# KiCad board sr99-stm32-hotswap.kicad_pcb (continued)
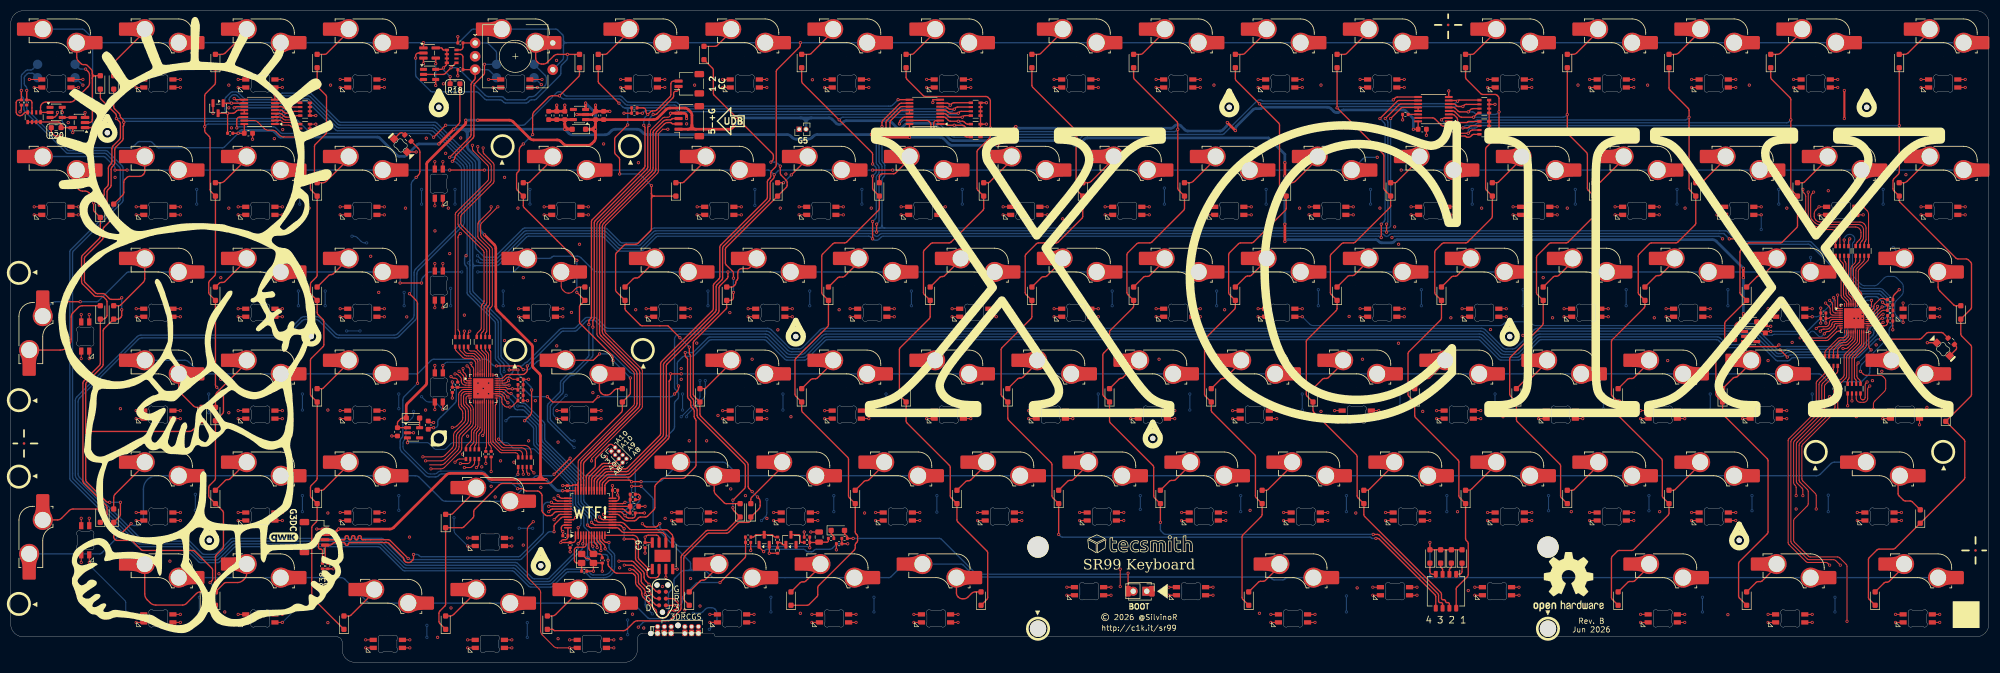
[diagram p0: board, top side]
## Routing (per net, layer and track width the routed paths; a pad name or vN(x,y) marks a point on that pad's centre or on a via; arc(x,y) is an arc through that point) (continued)
+5V: length 374.4
  Top w0.254: U12.1 C35.2 72.24,44.7 arc(72.28,44.9) 72.39,45.06 72.84,45.51 arc(73,45.62) 73.2,45.66 D107.1 ; D106.1 323,63.66 arc(322.29,63.36) 321.99,62.65 C33.2 U11.1 ; 107.37,104.55 v1(107.38,104.55)
  Top w0.508: U6.1 C14.2 ; C14.2 109.24,100.68 ; C14.2 C15.2 120.11,101.46 arc(120.5,101.54) 120.83,101.76 122.4,103.33 arc(122.73,103.55) 123.12,103.62 125.86,103.62 arc(126.24,103.55) 126.57,103.33 126.94,102.96 arc(127.16,102.63) 127.24,102.25 127.24,100.42 ; 109.24,100.68 109.24,98.65 ; 109.24,100.68 arc(108.94,99.96) 108.22,99.66 ; 109.24,98.65 109.24,98.08 arc(109.16,97.69) 108.94,97.36 108.54,96.96 arc(108.21,96.74) 107.82,96.66 103.91,96.66 arc(103.52,96.74) 103.19,96.96 102.79,97.36 arc(102.46,97.59) 102.07,97.66 97.66,97.66 arc(97.27,97.74) 96.94,97.96 93.84,101.06 arc(93.51,101.28) 93.12,101.35 v1(87.24,101.35) ; 109.24,98.65 arc(108.94,99.36) 108.22,99.66 ; D107.1 73.88,47.96 arc(73.91,48.15) 74.02,48.32 77.55,51.84 arc(77.66,52.01) 77.7,52.2 77.7,93.16 arc(77.74,93.36) 77.85,93.52 84.85,100.52 arc(84.96,100.69) 85,100.88 v1(85,101.35) ; U6.3 107.37,104.55 ; 128,99.66 134.17,99.66 arc(134.46,99.72) 134.71,99.89 v1(135.11,100.29) ; 128,99.66 126.48,99.66 ; 128,99.66 arc(127.46,99.89) 127.24,100.42 ; v1(323.62,71.91) v1(323.62,73.66) ; v1(237.99,81.91) v1(237.99,78.66) ; 108.22,99.66 D2.1 ; 126.48,99.66 J1.1 ; 126.48,99.66 arc(127.01,99.89) 127.24,100.42 ; v1(237.99,93.41) v1(237.99,90.91) ; D106.1 v1(323.62,65.16)
  Bottom w0.508: v1(109.24,99.66) 109.24,102.27 arc(109.16,102.66) 108.94,102.99 v1(107.38,104.55) ; 147.53,101.79 136.93,101.79 arc(136.64,101.73) 136.39,101.56 v1(135.11,100.29) ; 147.53,101.79 149.56,101.79 ; 147.53,101.79 arc(148.24,101.49) 148.54,100.77 ; v1(237.99,90.91) v1(237.99,81.91) ; 149.56,101.79 152.86,101.79 arc(153.15,101.73) 153.4,101.56 154.2,100.77 arc(154.73,100.54) 155.27,100.77 155.55,101.04 arc(155.79,101.2) 156.08,101.26 163.9,101.26 arc(164.19,101.2) 164.44,101.04 165.45,100.03 arc(165.99,99.81) 166.53,100.03 167.03,100.53 arc(167.27,100.69) 167.57,100.75 172.18,100.75 arc(172.48,100.69) 172.72,100.53 175.5,97.75 arc(175.75,97.59) 176.04,97.53 197.39,97.53 arc(197.68,97.47) 197.93,97.31 198.44,96.79 arc(198.98,96.57) 199.52,96.79 200.54,97.81 arc(200.79,97.97) 201.08,98.03 234.92,98.03 237.99,94.97 v1(237.99,93.41) ; 149.56,101.79 arc(148.84,101.49) 148.54,100.77 ; REF**#10.2 148.54,100.77 ; v1(323.62,73.66) 318.57,78.72 arc(318.24,78.94) 317.85,79.02 258.95,79.02 arc(258.76,78.98) 258.59,78.87 258.3,78.58 arc(258.14,78.47) 257.94,78.43 256.01,78.43 arc(255.81,78.47) 255.65,78.58 255.36,78.87 arc(255.19,78.98) 255,79.02 238.66,79.02 arc(238.37,78.96) 238.12,78.79 v1(237.99,78.66) ; v1(323.62,65.16) v1(323.62,71.91) ; v1(87.24,101.35) v1(85,101.35)
/ARGB Driver/VCC-LED1: length 38.6
  Top w0.2: 349.87,62.91 350,62.91 arc(350.2,62.95) 350.36,63.06 350.43,63.12 arc(350.54,63.29) 350.57,63.48 C27.2 C28.2 ; 349.87,62.91 349.11,62.91 ; 349.87,62.91 arc(349.6,62.8) 349.49,62.53 ; 339.04,63.46 338.99,63.41 ; C26.2 C25.2 ; C26.2 v1(339.04,63.42) ; C26.2 339.53,64.31 arc(339.63,64.33) 339.71,64.39 339.76,64.44 arc(339.85,64.49) 339.94,64.51 U9.5 ; 349.11,62.91 U9.22 ; 349.11,62.91 arc(349.38,62.8) 349.49,62.53 ; 349.49,62.53 v1(349.49,62.16)
  Top w0.254: D106.2 U11.5 v1(328.74,61.86)
  In2.Cu w0.4: v1(339.04,63.42) 347.81,63.42 arc(348.2,63.34) 348.53,63.12 v1(349.49,62.16)
  Bottom w0.254: v1(328.74,61.86) 335.31,61.86 arc(335.5,61.9) 335.67,62.01 337.63,63.97 arc(337.79,64.08) 337.99,64.12 338.13,64.12 arc(338.32,64.08) 338.49,63.97 v1(339.04,63.42)
/ARGB Driver/VCC-LED2: length 37.3
  Top w0.2: U10.5 C29.2 C30.2 v1(82.49,52.41) ; U10.22 91.13,49.81 arc(91.33,49.77) 91.49,49.66 91.6,49.56 arc(91.71,49.4) 91.74,49.2 91.74,48.64 arc(91.78,48.45) 91.89,48.29 92.3,47.88 arc(92.46,47.77) 92.66,47.73 v1(93.24,47.73) 93.35,47.73 arc(93.54,47.77) 93.7,47.88 C31.2 94.74,49.89 C32.2
  Top w0.254: D107.2 U12.5 ; 77.99,43.86 v1(78.99,43.86)
  In1.Cu w0.4: v1(82.49,52.41) 86.87,48.03 arc(87.2,47.81) 87.59,47.73 v1(93.24,47.73)
  Bottom w0.254: v1(82.49,52.41) 83.07,51.83 arc(83.18,51.67) 83.22,51.47 83.22,48.92 arc(83.18,48.73) 83.07,48.56 79.9,45.4 arc(79.79,45.24) 79.75,45.04 79.75,44.37 arc(79.61,44.01) 79.25,43.86 v1(78.99,43.86)
GND: length 458.1
  Top w0.2: v1(96.54,48.91) C31.1 95.72,48.93 C32.1 95.72,50.88 R35.1 95.72,50.94 C38.1 95.74,51.93 R36.1 v1(96.74,52.91) ; v1(123.24,102.66) 123.24,102.41 arc(123.09,102.05) 122.73,101.9 122.14,101.9 arc(121.94,101.87) 121.78,101.76 119.64,99.61 arc(119.53,99.45) 119.49,99.25 119.49,92.37 arc(119.45,92.18) 119.34,92.01 109.64,82.31 arc(109.53,82.15) 109.49,81.95 109.49,61.37 arc(109.53,61.18) 109.64,61.01 116.34,54.31 arc(116.45,54.15) 116.49,53.95 116.49,48.37 arc(116.45,48.18) 116.34,48.01 106.14,37.81 arc(106.03,37.65) 105.99,37.45 105.99,33.67 ; v1(349.72,63.55) 349.62,63.46 arc(349.46,63.35) 349.26,63.31 U9.23 345.32,63.31 v1(344.32,64.31) 344.53,64.11 344.53,60.4 arc(344.49,60.2) 344.38,60.04 343.15,58.81 arc(342.98,58.7) 342.79,58.66 v1(342.24,58.66) ; R4.2 v1(277.24,99.51) ; v1(108.49,37.66) 108.49,38.12 117.83,47.46 arc(117.94,47.63) 117.98,47.82 117.98,54.5 arc(117.94,54.7) 117.83,54.86 112.72,59.97 112.72,59.97 111.12,61.57 arc(111.01,61.73) 110.97,61.93 110.97,81.4 arc(111.01,81.59) 111.12,81.76 120.83,91.46 arc(120.94,91.63) 120.97,91.82 120.97,98.84 121.8,99.66 v1(122.74,99.66) ; v1(92.87,48.53) 92.36,49.04 arc(92.25,49.2) 92.21,49.4 92.21,49.49 arc(92.19,49.59) 92.14,49.67 91.75,50.06 arc(91.58,50.17) 91.39,50.21 U10.23 v1(89.26,50.21) v1(88.26,51.21) 88.46,51.01 88.46,42.92 arc(88.42,42.72) 88.31,42.56 v1(88.17,42.41) ; v1(338.07,63.42) C26.1 C25.1 v1(338.07,66.21) ; v1(56.99,100.61) R6.4 R6.3 R6.2 R6.1 ; v1(351.54,62.16) 351.54,62.93 351.54,62.93 C27.1 C28.1 351.56,64.84 R33.1 351.54,65.84 C37.1 351.56,66.84 R34.1 ; 105.99,33.67 105.99,32.91 ; 105.99,33.67 arc(105.84,33.31) 105.48,33.16 ; R1.3 v1(277.24,104.31) ; C29.1 83.49,52.61 arc(83.34,52.97) 82.98,53.12 82.74,53.12 arc(82.55,53.15) 82.39,53.26 v1(82.24,53.41)
  Top w0.254: v1(138.22,20.91) 138.22,21.29 C13.1 ; Q1.2 v1(37.79,102.66) ; R5.4 v1(182.24,100.61) ; R5.4 R2.1 R2.2 R2.3 R2.4 v1(182.24,104.61) ; R5.4 R5.3 R5.2 R5.1 ; U5.4 124.46,17.44 v1(124.49,17.41) ; C24.1 1.99,103.37 arc(1.95,103.18) 1.84,103.01 v1(1.74,102.91) ; C8.1 v1(104.49,20.66) ; v1(83.51,116.96) C22.1 ; v1(259.99,101.41) 259.98,101.42 R41.2 ; R9.1 148.22,23.41 v1(148.22,24.36) ; C4.1 v1(149.44,24.36) ; R1.4 R1.3 R1.2 R1.1 R4.4 R4.3 R4.2 R4.1 ; U1.47 103.35,25.66 arc(102.99,25.51) 102.85,25.15 102.85,24.92 arc(102.88,24.73) 102.99,24.56 v1(103.11,24.44) C7.1 ; U1.35 105.99,32.91 arc(105.91,33.09) 105.73,33.16 105.04,33.16 arc(105.01,33.15) 104.97,33.13 104.9,33.06 arc(104.87,33.04) 104.83,33.03 C6.1 v1(103.11,33.03) ; v1(268.6,106.83) U2.8 ; Y1.2 v1(108.84,17.04) C19.1 ; Y1.2 C20.1 v1(110.49,17.04) ; Y1.2 108.14,19.26 arc(107.97,19.37) 107.78,19.41 107.7,19.41 arc(107.5,19.45) 107.34,19.56 Y1.4 ; R42.2 R43.2 v1(114.55,102.66) ; v1(357.99,59.75) D108.1 ; R34.1 351.56,68.07 arc(351.64,68.46) 351.86,68.79 v1(352.74,69.66) ; v1(8.74,102.81) 8.74,102.64 arc(8.7,102.44) 8.59,102.28 8.32,102.01 arc(8.16,101.9) 7.96,101.86 U8.3 ; 148.22,24.41 148.22,24.41 ; 327.74,62.82 v1(328.74,62.82) ; 141.69,20.4 141.69,20.4 Q3.2 ; C5.1 v1(113.36,31.28) 113.47,31.18 arc(113.58,31.01) 113.62,30.82 113.62,30.67 arc(113.47,30.31) 113.11,30.16 U1.23 ; U12.2 v1(75.24,42.91) ; v1(172.24,104.66) 172.24,105.19 U3.8 ; C9.1 v1(118.49,20.41) ; v1(75.74,95.41) 74.04,95.41 D109.1 ; NT2.1 118.49,27.91 ; R15.1 154.22,21.02 v1(154.22,21.02) ; R14.1 v1(141.69,20.39) ; v1(49.35,106.04) U4.8 ; v1(320.95,60.31) 320.95,60.31 C33.1 ; C3.1 v1(264.43,98.51) ; U11.2 v1(324.99,60.91) ; J2.1 v1(57.17,24.91) ; R3.4 R3.3 R3.2 R3.1 v1(56.99,102.21) ; C21.1 v1(83.51,109.65) ; SW104.3 v1(77.09,111.91) ; C35.1 v1(71.18,42.31) ; C2.1 v1(170.74,99.41) ; 77.99,44.82 v1(78.99,44.82) ; C30.1 v1(82.49,49.41) ; v1(13.89,102.77) SW105.3 ; C1.1 v1(45.17,97.79)
  Top w0.508: v1(109.24,104.16) C14.1 ; C14.1 108.79,102.56 arc(108.62,102.45) 108.43,102.41 U6.2 v1(105.74,102.41) ; C14.1 C15.1 v1(111.9,103.01) ; v1(103.49,104.16) C16.1 C17.1 ; v1(126.24,101.66) 126.24,102.15 arc(126.09,102.51) 125.73,102.66 J1.4 v1(123.24,102.66) ; C17.1 C18.1 ; C17.1 v1(101.99,104.16)
  In1.Cu w0.2: 122.36,101.16 122.36,101.16
  In1.Cu w0.508: v1(125.91,9.79) 125.91,9.66 arc(125.99,9.27) 126.21,8.94 126.88,8.27 arc(127.1,7.94) 127.18,7.55 REF**#12.5 J6.5
  In1.Cu w1.67: v1(126.24,101.66) 122.74,101.66 120.54,99.47 arc(120.32,99.14) 120.24,98.75 120.24,98.41 120.24,98.4 120.24,92.29 arc(120.16,91.91) 119.94,91.58 110.54,82.17 arc(110.31,81.84) 110.24,81.45 110.24,61.83 arc(110.31,61.44) 110.54,61.11 116.94,54.71 arc(117.16,54.38) 117.24,53.99 117.24,48.33 arc(117.16,47.94) 116.94,47.61 108.49,39.16 v1(108.49,37.66)
  Bottom w0.254: ENC1.C 97.82,109.3 v1(99.11,108.01) ; v1(257.99,79.41) 258.08,79.51 arc(258.24,79.62) 258.44,79.65 319.04,79.65 arc(319.23,79.62) 319.39,79.51 v1(319.74,79.16) ; v1(13.49,107.91) 12.1,109.3 ENC2.C
  Bottom w0.4: 97.86,109.3 ENC1.C
  vias: v1(9.99,63.66) v1(10.74,100.91) v1(19.49,90.66) v1(20.49,47.41) v1(29.74,18.91) v1(38.9,16.55) v1(39.24,71.91) v1(39.24,52.91) v1(39.99,9.41) v1(40.74,107.91) v1(40.74,103.66) v1(40.74,84.91) v1(40.74,46.66) v1(41.24,99.91) v1(49.24,97.91) v1(50.81,99.59) v1(55.74,84.91) v1(55.74,65.91) v1(59.24,47.16) v1(59.24,27.91) v1(59.24,7.41) v1(59.74,107.91) v1(67.24,75.91) v1(68.74,69.16) v1(73.74,84.91) v1(73.97,64.57) v1(74.49,23.41) v1(77.49,47.16) v1(77.62,97.99) v1(79.24,80.66) v1(79.74,4.66) v1(80.82,108.16) v1(81.24,95.16) v1(81.74,84.91) v1(81.99,76.41) v1(82.24,10.16) v1(84.05,98.03) v1(84.4,38.91) v1(84.74,64.91) v1(85.34,42.28) v1(87.27,52.2) v1(87.26,50.21) v1(87.99,36.54) v1(89.27,52.2) v1(89.74,32.91) v1(90.49,30.91) v1(91.49,37.66) v1(92.24,90.66) v1(92.24,60.16) v1(93.99,37.41) v1(94.74,84.91) v1(95.74,71.91) v1(95.74,21.91) v1(96.74,41.41) v1(97.99,60.16) v1(97.99,48.91) v1(99.02,32.7) v1(101.96,112.53) v1(101.99,59.16) v1(102.24,41.16) v1(102.24,4.41) v1(104.74,65.41) v1(106.24,78.16) v1(108.74,50.41) v1(110.74,96.91) v1(111.24,38.41) v1(113.74,17.66) v1(113.99,4.41) v1(116.14,9) v1(116.74,65.91) v1(117.24,93.41) v1(118.24,6.41) v1(118.36,27.91) v1(121.74,14.16) v1(122.24,26.91) v1(125.24,54.91) v1(125.24,52.91) v1(126.24,100.66) v1(126.74,41.41) v1(126.99,15.66) v1(127.74,107.91) v1(128.14,59.68) v1(128.75,10.52) v1(129.99,41.41) v1(132.11,46.15) v1(134.32,65.38) v1(134.49,32.41) v1(137.24,31.16) v1(138.49,56.66) v1(141.24,26.91) v1(143.29,62.16) v1(143.74,84.91) v1(144.79,91.28) v1(145.74,45.91) v1(147.49,9.16) v1(149.74,108.91) v1(154.74,65.91) v1(159.49,27.91) v1(160.74,84.91) v1(176.24,56.66) v1(196.49,82.91) v1(214.49,56.66) v1(224.74,107.91) v1(226.74,65.91) v1(231.49,28.41) v1(233.24,9.16) v1(240.74,84.91) v1(244.74,107.91) v1(244.74,46.91) v1(249.99,64.66) v1(251.24,27.91) v1(251.49,13.91) v1(252.49,56.66) v1(255.74,84.91) v1(258.49,81.41) v1(259.24,78.16) v1(259.2,59.65) v1(263.74,46.91) v1(268.99,64.41) v1(270.24,28.16) v1(272.24,13.41) v1(274.74,84.91) v1(276.4,62.22) v1(278.74,99.51) v1(278.74,45.91) v1(282.45,61.13) v1(286.24,71.91) v1(287.99,64.41) v1(290.74,84.91) v1(291.49,28.16) v1(292.74,107.91) v1(301.74,46.91) v1(305.74,107.91) v1(306.99,64.41) v1(307.99,28.16) v1(309.49,56.41) v1(312.74,84.91) v1(314.74,46.91) v1(319.26,53.21) v1(320.74,8.91) v1(324.74,107.91) v1(325.99,66.41) v1(328.24,56.41) v1(331.74,84.91) v1(332.74,59.81) v1(333.49,28.66) v1(339.49,88.16) v1(339.74,49.66) v1(341.85,66.79) v1(344.74,45.91) v1(345.07,64.31) v1(345.82,65.81) v1(345.82,65.06) v1(345.82,64.31) v1(347.74,52.66) v1(348.43,59.34) v1(349.49,54.41) v1(353.99,91.16)
GNDA: length 13.3
  Top w0.254: C10.1 117.23,31.41 arc(117.41,31.34) 117.49,31.16 v1(117.49,30.91) 117.49,30.67 arc(117.41,30.49) 117.23,30.41 C11.1 ; U1.19 113.78,28.16 arc(113.97,28.12) 114.14,28.01 v1(114.74,27.41) 115.04,27.11 arc(115.2,27) 115.4,26.96 116.15,26.96 arc(116.51,27.11) 116.66,27.47 C12.1 NT2.2
  Bottom w0.254: v1(117.49,30.91) 117.49,30.37 arc(117.45,30.18) 117.34,30.01 v1(114.74,27.41)
VBAT: length 2.6
  Top w0.254: U1.1 105.49,22.9 arc(105.34,22.54) 104.98,22.39 C8.2 NT1.2
VDDA: length 6
  Top w0.254: FB1.1 C11.2 C10.2 ; FB1.1 U1.21 ; FB1.1 NT3.1
/Matrix/ENC1_3V3: length 10.9
  Top w0.254: SW104.5 80.47,114.86 arc(80.59,114.81) 80.64,114.69 80.64,114.66 arc(80.69,114.54) 80.81,114.49 R17.5 R17.6 R17.7 R17.8 81.46,111.97 arc(81.42,111.78) 81.31,111.61 v1(80.82,111.12) 80.71,111.01 arc(80.55,110.9) 80.35,110.86 U7.5 ; R18.1 v1(82.08,109.5)
  Bottom w0.254: v1(82.08,109.5) 80.97,110.6 arc(80.86,110.77) 80.82,110.96 v1(80.82,111.12)
/Matrix/ENC2_3V3: length 15.8
  Top w0.254: U8.5 v1(9.63,102.81) 9.71,102.81 9.75,102.85 ; R19.5 R19.6 R19.7 R19.8 8.89,101.01 arc(9.25,100.86) 9.4,100.5 R20.1 SW105.5 v1(11.59,99.04)
  Bottom w0.254: v1(11.59,99.04) 9.77,100.85 arc(9.66,101.01) 9.63,101.21 v1(9.63,102.81)
/MCU and power/BOOT_SW: length 60.3
  Top w0.254: R13.1 v1(157.36,23.16) ; R13.1 156.26,23.42 arc(156.24,23.52) 156.18,23.6 155.81,23.97 arc(155.76,24.05) 155.74,24.15 D1.2 ; R13.1 156.25,23.17 ; UBOOT1.2 v1(208.7,16.66)
  Bottom w0.254: v1(157.36,23.16) 173.48,23.16 arc(173.67,23.12) 173.84,23.01 180.23,16.62 arc(180.39,16.51) 180.59,16.47 208.3,16.47 arc(208.5,16.51) 208.66,16.62 v1(208.7,16.66)
/MCU and power/U_2_3: length 104.8
  Top w0.254: U3.14 166.97,101.94 arc(166.78,101.9) 166.61,101.79 166.14,101.31 arc(166.03,101.15) 165.99,100.95 v1(165.99,100.66) ; U2.9 258.97,105.69 arc(258.78,105.65) 258.61,105.54 v1(258.24,105.16)
  Bottom w0.254: v1(165.99,100.66) 166.57,101.25 arc(166.74,101.36) 166.93,101.4 172.56,101.4 arc(172.75,101.36) 172.92,101.25 175.84,98.32 arc(176.01,98.21) 176.2,98.18 197.77,98.18 arc(197.97,98.14) 198.13,98.03 198.55,97.6 arc(198.72,97.49) 198.91,97.46 199.06,97.46 arc(199.25,97.49) 199.42,97.6 200.34,98.53 arc(200.51,98.64) 200.7,98.68 226.28,98.68 arc(226.47,98.72) 226.64,98.83 232.78,104.97 arc(232.95,105.08) 233.14,105.12 233.47,105.12 arc(233.56,105.1) 233.65,105.04 233.68,105.01 arc(233.76,104.96) 233.86,104.94 257.8,104.94 arc(258,104.98) 258.16,105.09 v1(258.24,105.16)
/MCU and power/U_3_4: length 134.6
  Top w0.254: v1(78.99,98.16) v1(81.24,100.41) ; v1(42.24,99.91) 42.23,99.92 42.23,101.43 arc(42.38,101.79) 42.74,101.94 U4.14 ; U3.9 165.76,105.19 165.74,105.16
  Bottom w0.254: v1(81.24,100.41) 95.69,100.41 arc(95.88,100.45) 96.04,100.56 102,106.52 arc(102.17,106.63) 102.36,106.67 102.62,106.67 arc(102.81,106.63) 102.98,106.52 103.49,106.01 arc(103.65,105.9) 103.84,105.86 113.83,105.86 arc(114.02,105.82) 114.19,105.71 115.04,104.86 arc(115.2,104.75) 115.4,104.71 124.22,104.71 arc(124.41,104.67) 124.58,104.56 125.01,104.13 arc(125.17,104.02) 125.36,103.98 164.32,103.98 arc(164.52,104.02) 164.68,104.13 v1(165.74,105.19) ; v1(42.24,99.91) 42.24,99.91 42.29,99.96 arc(42.45,100.07) 42.65,100.11 49.1,100.11 arc(49.3,100.07) 49.46,99.96 50.41,99.02 arc(50.57,98.91) 50.77,98.87 78.07,98.87 arc(78.26,98.83) 78.43,98.72 v1(78.99,98.16)
/MCU and power/X32: length 11
  Top w0.254: U1.32 107.49,34.65 arc(107.53,34.85) 107.64,35.01 109.05,36.43 arc(109.16,36.59) 109.2,36.79 109.2,37.88 arc(109.24,38.07) 109.35,38.24 111.73,40.62 arc(112.09,40.77) 112.44,40.62
/MCU and power/~{MATRIX_CS}: length 312.4
  Top w0.254: U3.13 U3.12 166.52,103.24 arc(166.33,103.2) 166.16,103.09 164.39,101.31 arc(164.28,101.15) 164.24,100.95 v1(164.24,99.16) ; Q1.3 v1(40.51,102.66) ; v1(40.51,102.66) R7.2 ; v1(40.51,102.66) 41.55,102.66 arc(41.74,102.7) 41.9,102.81 42.18,103.09 arc(42.35,103.2) 42.54,103.24 U4.12 U4.13 ; U2.13 U2.12 260.02,103.74 arc(259.83,103.7) 259.66,103.59 v1(257.74,101.66)
  Bottom w0.254: 162.74,81.7 162.74,90.24 arc(162.78,90.43) 162.89,90.59 163.11,90.82 arc(163.22,90.98) 163.26,91.18 163.26,92.9 arc(163.22,93.09) 163.11,93.26 162.89,93.48 arc(162.78,93.65) 162.74,93.84 162.74,97.97 arc(162.78,98.17) 162.89,98.33 163.12,98.56 arc(163.28,98.67) 163.48,98.71 163.58,98.71 arc(163.77,98.75) 163.93,98.86 v1(164.24,99.16) ; 162.74,81.7 arc(162.89,81.34) 163.25,81.19 257.23,81.19 arc(257.59,81.34) 257.74,81.7 v1(257.74,101.66) ; 162.74,81.7 arc(162.59,81.34) 162.23,81.19 120.22,81.19 arc(120.03,81.15) 119.86,81.04 117.38,78.56 arc(117.22,78.45) 117.02,78.42 114.21,78.42 arc(114.01,78.45) 113.85,78.56 111.37,81.05 arc(111.2,81.16) 111.01,81.19 96.02,81.19 arc(95.83,81.16) 95.67,81.05 90.71,76.09 90.71,76.09 90.5,75.88 arc(90.33,75.77) 90.14,75.73 88.71,75.73 arc(88.52,75.77) 88.35,75.88 86.97,77.25 arc(86.86,77.42) 86.82,77.61 86.82,93.36 arc(86.79,93.56) 86.68,93.72 79.59,100.81 arc(79.42,100.92) 79.23,100.96 61.67,100.96 arc(61.48,101) 61.31,101.11 56.15,106.27 arc(55.99,106.38) 55.79,106.42 50.73,106.42 arc(50.54,106.38) 50.37,106.27 49.46,105.36 arc(49.3,105.25) 49.1,105.21 44,105.21 arc(43.8,105.25) 43.64,105.36 42.5,106.5 arc(42.33,106.61) 42.14,106.65 41.43,106.65 arc(41.23,106.61) 41.07,106.5 40.21,105.64 arc(40.05,105.4) 39.99,105.1 39.99,103.48 arc(40.05,103.19) 40.21,102.94 40.49,102.66 v1(40.51,102.66) ; 162.24,81.19 163.24,81.19
BLU1: length 237.9
  Top w0.2: W2.3 341.24,108.97 ; W9.3 203.24,108.97 ; v1(336.74,87.91) 336.49,87.67 arc(336.27,87.34) 336.19,86.95 336.19,83.4 arc(336.27,83.01) 336.49,82.68 337.03,82.15 arc(337.36,81.93) 337.75,81.85 345.05,81.85 arc(345.77,81.55) 346.07,80.83 346.07,79.49 arc(345.99,79.11) 345.77,78.78 345.7,78.71 arc(345.48,78.38) 345.41,77.99 R25.7 ; W6.3 260.49,108.97 ; W7.3 v1(241.24,108.97) ; 301.76,108.97 v1(303.15,108.97) ; W5.3 283.99,108.97 ; W8.3 v1(222.19,108.97) ; W3.3 v1(322.2,108.97) ; W1.3 v1(365.06,108.97)
  Top w0.4: v1(342.49,106.91) v1(342.49,101.66)
  In1.Cu w0.4: 222.75,109.54 223.44,110.22 arc(223.61,110.33) 223.8,110.37 239.62,110.37 arc(239.82,110.33) 239.98,110.22 v1(241.24,108.97) 242.49,110.22 arc(242.66,110.33) 242.85,110.37 258.67,110.37 arc(258.87,110.33) 259.03,110.22 v1(260.29,108.97) 261.54,110.22 arc(261.71,110.33) 261.9,110.37 282.49,110.37 arc(282.68,110.33) 282.85,110.22 v1(284.1,108.97) 285.35,110.22 arc(285.52,110.33) 285.71,110.37 301.54,110.37 arc(301.73,110.33) 301.9,110.22 v1(303.15,108.97) 304.4,110.22 arc(304.57,110.33) 304.76,110.37 320.59,110.37 arc(320.78,110.33) 320.95,110.22 v1(322.2,108.97) 323.45,110.22 arc(323.62,110.33) 323.81,110.37 339.64,110.37 arc(339.83,110.33) 340,110.22 340.65,109.57 ; 222.75,109.54 v1(222.19,108.97) 221.62,109.54 ; 222.75,109.54 arc(222.19,109.3) 221.62,109.54 ; v1(365.06,108.97) 363.81,110.22 arc(363.64,110.33) 363.45,110.37 342.86,110.37 arc(342.67,110.33) 342.5,110.22 v1(341.25,108.97) 340.65,109.57 ; 221.62,109.54 220.93,110.22 arc(220.77,110.33) 220.57,110.37 204.75,110.37 arc(204.56,110.33) 204.39,110.22 v1(203.14,108.97) ; 340.65,109.57 342.19,108.03 arc(342.41,107.7) 342.49,107.31 v1(342.49,106.91) ; 303.72,109.54 arc(303.15,109.3) 302.58,109.54 ; 340.68,109.54 arc(341.25,109.3) 341.82,109.54 arc(341.58,108.97) 341.82,108.4 ; 241.8,109.54 arc(241.24,109.3) 240.67,109.54 ; 284.67,109.54 arc(284.1,109.3) 283.53,109.54 ; 322.77,109.54 arc(322.2,109.3) 321.63,109.54 ; 260.85,109.54 arc(260.29,109.3) 259.72,109.54
  In2.Cu w0.4: v1(342.49,101.66) 342.49,94.36 arc(342.41,93.98) 342.19,93.65 339.07,90.53 arc(338.85,90.2) 338.77,89.81 338.77,89.37 arc(338.7,88.98) 338.48,88.65 338.04,88.21 arc(337.71,87.99) 337.32,87.91 v1(336.74,87.91)
BLU2: length 190.4
  Top w0.2: W23.3 v1(288.86,85.16) ; W25.3 v1(250.76,85.16) ; W21.3 v1(326.96,85.16) ; W19.3 v1(365.06,85.16) ; R25.5 347.01,83.74 arc(346.93,84.13) 346.71,84.46 v1(346.01,85.16) W20.3 ; W22.3 v1(307.91,85.16) ; W27.3 v1(212.66,85.16) ; W24.3 v1(269.81,85.16) ; W26.3 v1(231.71,85.16)
  In1.Cu w0.4: v1(365.06,85.16) 363.8,86.42 arc(363.64,86.53) 363.44,86.57 347.63,86.57 arc(347.44,86.53) 347.27,86.42 v1(346.01,85.16) 344.75,86.42 arc(344.59,86.53) 344.39,86.57 328.58,86.57 arc(328.39,86.53) 328.22,86.42 v1(326.96,85.16) 325.7,86.42 arc(325.54,86.53) 325.34,86.57 309.53,86.57 arc(309.34,86.53) 309.17,86.42 v1(307.91,85.16) 306.65,86.42 arc(306.49,86.53) 306.29,86.57 290.48,86.57 arc(290.29,86.53) 290.12,86.42 v1(288.86,85.16) 287.6,86.42 arc(287.44,86.53) 287.24,86.57 271.43,86.57 arc(271.24,86.53) 271.07,86.42 v1(269.81,85.16) 268.55,86.42 arc(268.39,86.53) 268.19,86.57 252.38,86.57 arc(252.19,86.53) 252.02,86.42 v1(250.76,85.16) 249.5,86.42 arc(249.34,86.53) 249.14,86.57 233.33,86.57 arc(233.14,86.53) 232.97,86.42 v1(231.71,85.16) 230.45,86.42 arc(230.29,86.53) 230.09,86.57 214.28,86.57 arc(214.09,86.53) 213.92,86.42 v1(212.66,85.16) ; 232.28,85.72 arc(231.71,85.49) 231.15,85.72 ; 270.38,85.72 arc(269.81,85.49) 269.25,85.72 ; 308.48,85.72 arc(307.91,85.49) 307.35,85.72 ; 251.33,85.72 arc(250.76,85.49) 250.2,85.72 ; 289.43,85.72 arc(288.86,85.49) 288.3,85.72 ; 346.58,85.72 arc(346.01,85.49) 345.45,85.72 ; 327.53,85.72 arc(326.96,85.49) 326.4,85.72
BLU3: length 211.8
  Top w0.2: W44.3 v1(222.19,66.11) ; W39.3 v1(317.44,66.11) ; W45.3 v1(203.14,66.11) ; W43.3 v1(241.24,66.11) ; R24.7 344.7,49.37 arc(344.93,48.83) 345.47,48.61 346.08,48.61 arc(346.62,48.83) 346.84,49.37 346.84,51.06 arc(346.88,51.25) 346.99,51.42 v1(347.24,51.66) ; W42.3 v1(260.29,66.11) ; W41.3 v1(279.34,66.11) ; W38.3 v1(336.49,66.11) ; W37.3 v1(360.3,66.11) ; W40.3 v1(298.39,66.11)
  In1.Cu w0.4: 341.69,65.31 343.29,65.31 ; 341.69,65.31 337.71,65.31 arc(337.32,65.38) 336.99,65.6 v1(336.49,66.11) 335.23,67.37 arc(335.06,67.48) 334.87,67.52 319.06,67.52 arc(318.86,67.48) 318.7,67.37 v1(317.44,66.11) 316.18,67.37 arc(316.01,67.48) 315.82,67.52 300.01,67.52 arc(299.81,67.48) 299.65,67.37 v1(298.39,66.11) 297.13,67.37 arc(296.96,67.48) 296.77,67.52 280.96,67.52 arc(280.76,67.48) 280.6,67.37 v1(279.34,66.11) 277.93,67.52 261.91,67.52 arc(261.71,67.48) 261.55,67.37 v1(260.29,66.11) 259.03,67.37 arc(258.86,67.48) 258.67,67.52 242.86,67.52 arc(242.66,67.48) 242.5,67.37 v1(241.24,66.11) 239.98,67.37 arc(239.81,67.48) 239.62,67.52 223.81,67.52 arc(223.61,67.48) 223.45,67.37 v1(222.19,66.11) 220.93,67.37 arc(220.76,67.48) 220.57,67.52 204.76,67.52 arc(204.56,67.48) 204.4,67.37 v1(203.14,66.11) ; 341.69,65.31 arc(342.25,65.07) 342.49,64.51 ; 343.29,65.31 343.3,65.31 arc(343.69,65.38) 344.02,65.6 346.67,68.25 arc(347,68.47) 347.38,68.54 353.54,68.54 arc(353.93,68.47) 354.26,68.25 354.69,67.81 arc(355.02,67.59) 355.41,67.52 358.47,67.52 arc(358.86,67.44) 359.19,67.22 v1(360.3,66.11) ; 343.29,65.31 arc(342.72,65.07) 342.49,64.51 ; 342.49,64.51 342.49,60.08 arc(342.56,59.69) 342.79,59.36 342.89,59.26 arc(343.11,58.93) 343.18,58.55 343.18,54.74 arc(343.26,54.35) 343.48,54.03 345.55,51.96 arc(345.88,51.74) 346.26,51.66 v1(347.24,51.66) ; 318,66.67 arc(317.44,66.44) 316.87,66.67 ; 241.8,66.67 arc(241.24,66.44) 240.67,66.67 ; 279.9,66.67 arc(279.34,66.44) 278.77,66.67 ; 298.95,66.67 arc(298.39,66.44) 297.82,66.67 ; 222.75,66.67 arc(222.19,66.44) 221.62,66.67 ; 260.85,66.67 arc(260.29,66.44) 259.72,66.67
BLU4: length 192.4
  Top w0.2: W55.3 v1(331.73,47.06) ; W61.3 v1(217.43,47.06) ; W56.3 v1(312.68,47.06) ; W58.3 v1(274.57,47.06) ; W59.3 v1(255.53,47.06) ; W57.3 v1(293.62,47.06) ; W54.3 357.1,47.06 arc(357.3,47.1) 357.46,47.21 v1(357.92,47.66) ; W60.3 v1(236.48,47.06) ; W62.3 v1(198.38,47.06) ; R24.5 v1(343.11,47.96)
  In1.Cu w0.4: v1(343.11,47.96) 342.01,47.96 arc(341.82,48) 341.65,48.11 341.45,48.31 arc(341.29,48.42) 341.09,48.46 333.34,48.46 arc(333.14,48.42) 332.98,48.31 v1(331.73,47.06) 330.47,48.31 arc(330.31,48.42) 330.11,48.46 314.29,48.46 arc(314.09,48.42) 313.93,48.31 v1(312.68,47.06) 311.42,48.31 arc(311.26,48.42) 311.06,48.46 295.24,48.46 arc(295.04,48.42) 294.88,48.31 v1(293.62,47.06) 292.37,48.31 arc(292.21,48.42) 292.01,48.46 276.19,48.46 arc(275.99,48.42) 275.83,48.31 v1(274.57,47.06) 273.32,48.31 arc(273.16,48.42) 272.96,48.46 257.14,48.46 arc(256.94,48.42) 256.78,48.31 v1(255.53,47.06) 254.27,48.31 arc(254.11,48.42) 253.91,48.46 238.09,48.46 arc(237.89,48.42) 237.73,48.31 v1(236.48,47.06) 235.22,48.31 arc(235.06,48.42) 234.86,48.46 219.04,48.46 arc(218.84,48.42) 218.68,48.31 v1(217.43,47.06) 216.17,48.31 arc(216.01,48.42) 215.81,48.46 199.99,48.46 arc(199.79,48.42) 199.63,48.31 v1(198.38,47.06) ; v1(343.11,47.96) 344.17,47.96 arc(344.37,48) 344.53,48.11 344.73,48.31 arc(344.9,48.42) 345.09,48.46 356.91,48.46 arc(357.1,48.42) 357.27,48.31 v1(357.92,47.66) ; v1(343.11,47.96) 343.11,47.96 ; 217.99,47.62 arc(217.43,47.39) 216.86,47.62 ; 256.09,47.62 arc(255.53,47.39) 254.96,47.62 ; 237.04,47.62 arc(236.48,47.39) 235.91,47.62 ; 294.19,47.62 arc(293.62,47.39) 293.06,47.62 ; 275.14,47.62 arc(274.57,47.39) 274.01,47.62 ; 332.29,47.62 arc(331.73,47.39) 331.16,47.62 ; 313.24,47.62 arc(312.68,47.39) 312.11,47.62
BLU5: length 202.5
  Top w0.2: W75.3 v1(265.05,28.01) ; v1(333.49,31.16) 333.49,32.7 arc(333.45,32.9) 333.34,33.06 333.16,33.24 arc(333.05,33.41) 333.01,33.6 333.01,41.03 arc(333.05,41.22) 333.16,41.39 338.12,46.35 arc(338.23,46.51) 338.27,46.71 338.27,51.79 arc(338.31,51.98) 338.42,52.15 340.31,54.04 arc(340.42,54.2) 340.45,54.4 R21.7 ; W74.3 v1(284.1,28.01) ; 301.76,28.01 v1(303.15,28.01) ; W77.3 v1(226.95,28.01) ; W72.3 v1(322.2,28.01) ; W78.3 v1(207.9,28.01) ; W76.3 v1(246,28.01) ; W71.3 v1(353.16,28.01)